# Altium PCB Urukul.PcbDoc (part 1 of 12) (continued)
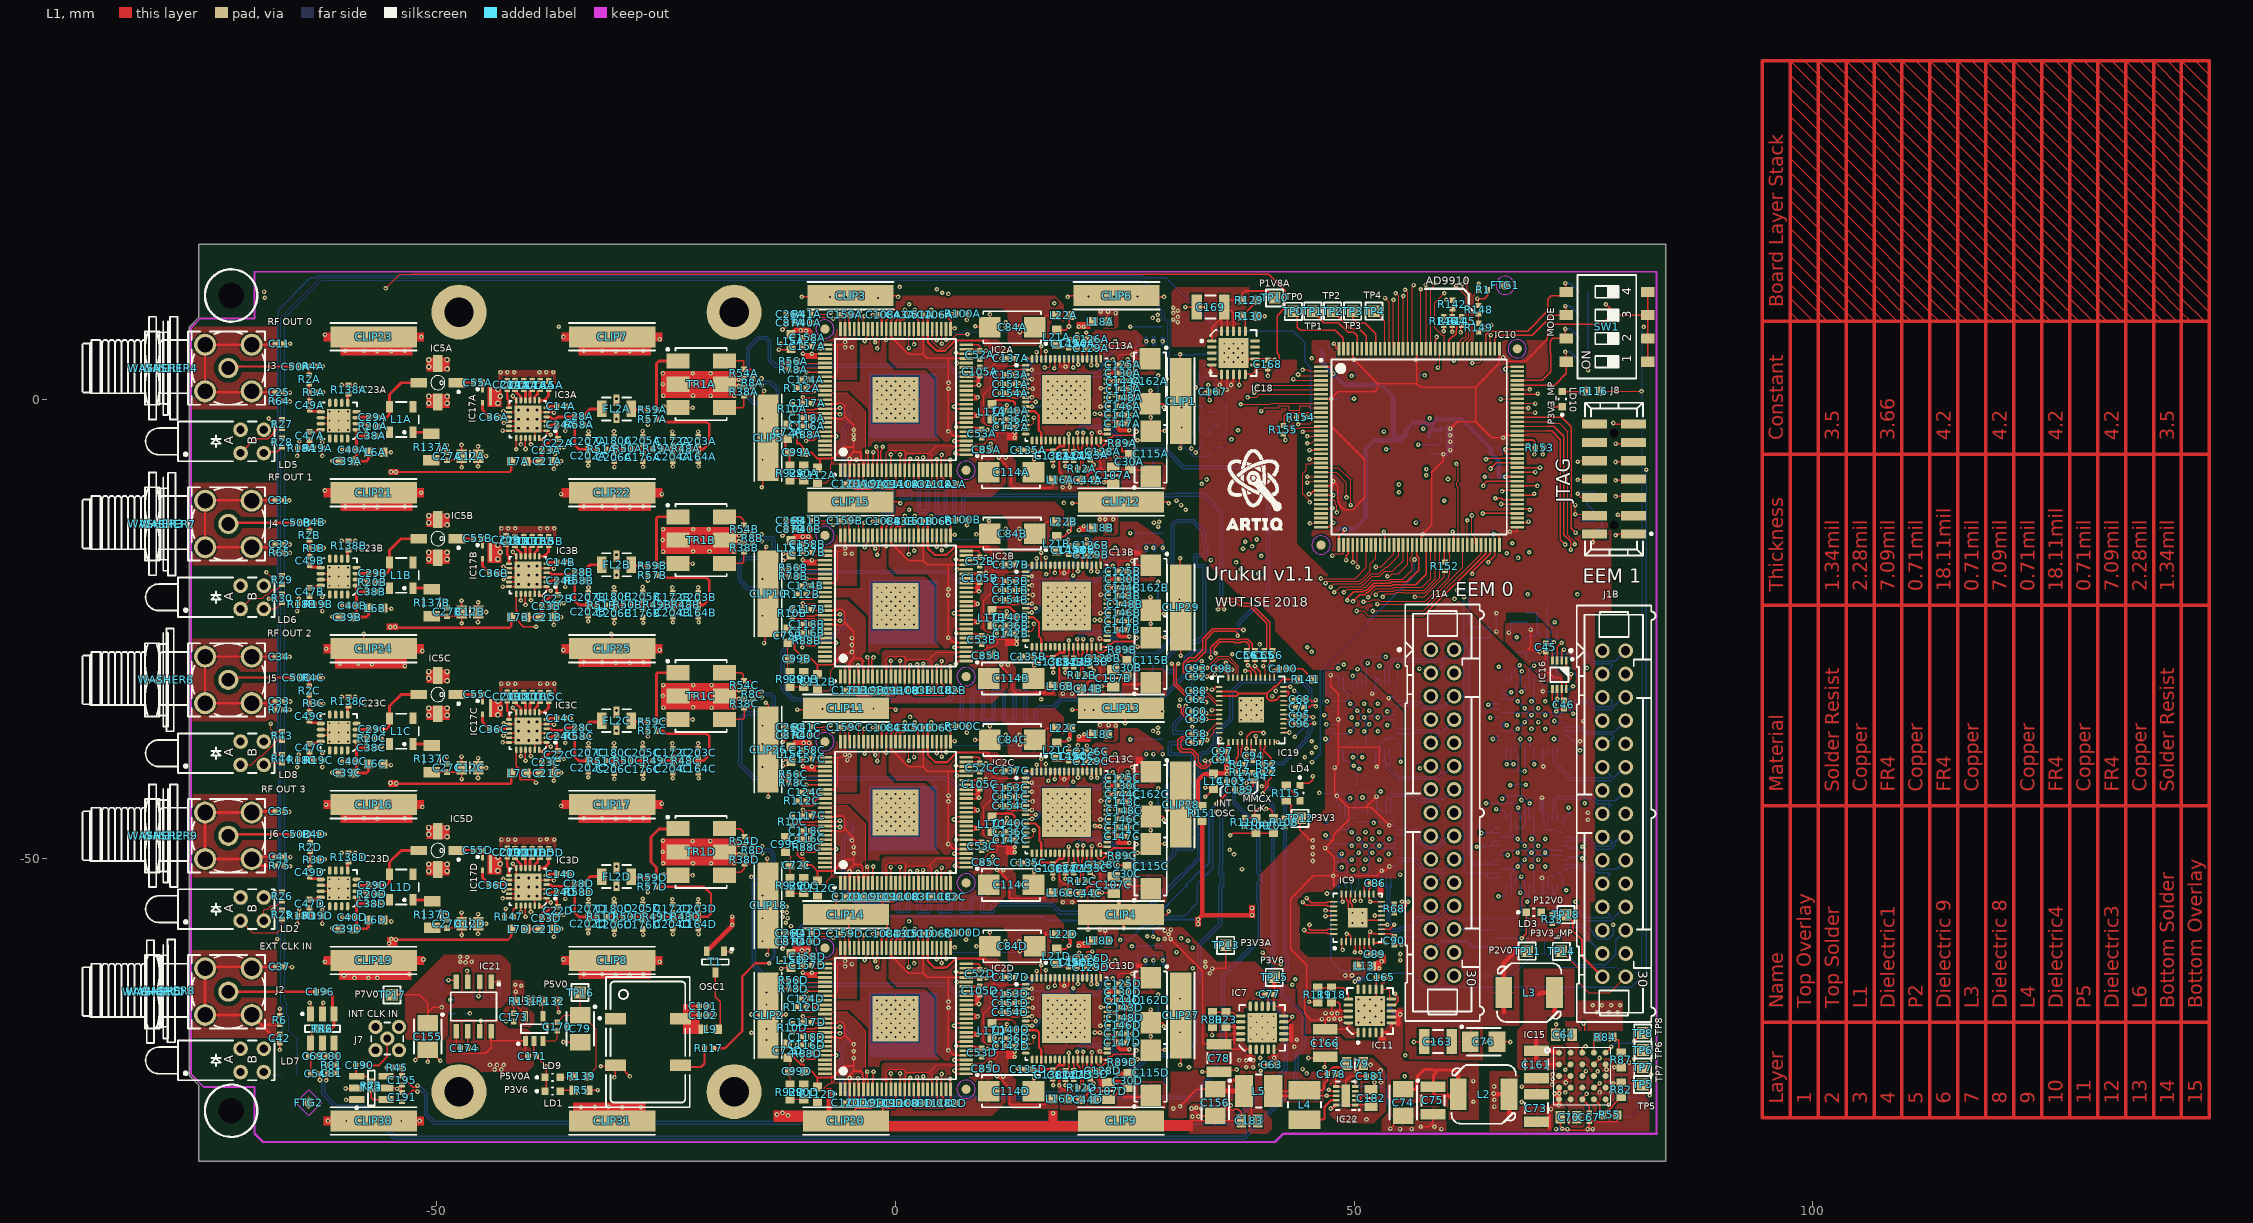
[diagram p0: L1 view]
## Classes and differential pairs (continued)
component class U_DDS_channel3: C26D C30D C43D C44D C51D C52D C53D C72D C82D C83D C84D C85D C87D C99D C105D C106D C107D C108D C109D C110D C111D C112D C114D C115D C116D C117D C118D C119D C120D C124D C125D C126D C127D C128D C129D C130D C133D C134D C135D C136D C137D C138D C140D C141D C142D C143D C144D C146D C147D C148D C149D C150D C151D C153D C154D C157D C158D C159D C162D IC2D IC13D L15D L16D L17D L18D L19D L20D L21D L22D R10D R12D R15D R40D R41D R56D R78D R79D R88D R89D R90D R91D R92D R93D R94D R96D R97D R98D R99D R100D R104D R105D R106D R107D R112D R113D R140D
component class U_LVDS_IFCA: C2A C3A C4A C5A C6A C7A C8A C9A C10A IC1A IC6A IC8A J1A R7A R9A R11A R13A R16A R21A R24A R35A
component class U_Supply_DDS: C48 C63 C64 C67 C70 C73 C74 C75 C76 C77 C78 C79 C155 C156 C160 C161 C163 C165 C166 C167 C168 C169 C170 C171 C173 C174 C175 C177 C178 C179 C181 C182 C183 IC7 IC11 IC12 IC15 IC18 IC20 IC21 IC22 L2 L3 L4 L5 LD1 LD3 LD4 LD7 LD9 LD10 R5 R23 R33 R53 R55 R80 R82 R84 R87 R115 R116 R118 R119 R120 R121 R122 R123 R124 R125 R126 R127 R128 R129 R130 R131 R132 R133 R134 R135 R136 R139 R143 R? TP5 TP6 TP7 TP8 TP10 TP11 TP12 TP13 TP14 TP15 TP16 TP17 TP18
channel class DDS_channel: U_DDS_channel0 U_DDS_channel1 U_DDS_channel2 U_DDS_channel3
channel class DDS_OUT_channel: U_DDS_OUT_channel0 U_DDS_OUT_channel1 U_DDS_OUT_channel2 U_DDS_OUT_channel3
net class DDS_CSN[3..0]: DDS_CSN0 DDS_CSN1 DDS_CSN2 DDS_CSN3
net class DDS_SCKI[3..0]: DDS_SCKI0 DDS_SCKI1 DDS_SCKI2 DDS_SCKI3
net class DDS_SDI[3..0]: DDS_SDI0 DDS_SDI1 DDS_SDI2 DDS_SDI3
net class DDS_SDO[3..0]: DDS_SDO0 DDS_SDO1 DDS_SDO2 DDS_SDO3
net class DDS_UPDATE[3..0]: DDS_UPDATE0 DDS_UPDATE1 DDS_UPDATE2 DDS_UPDATE3
net class LED[7..0]: LED0 LED1 LED2 LED3 LED4 LED5 LED6 LED7
net class R\E\_DE[15..0]: R\E\_DE0 R\E\_DE1 R\E\_DE2 R\E\_DE3 R\E\_DE4 R\E\_DE5 R\E\_DE6 R\E\_DE7 R\E\_DE8 R\E\_DE9 R\E\_DE10 R\E\_DE11 R\E\_DE12 R\E\_DE13 R\E\_DE14 R\E\_DE15
net class DDS_PLL_LOCK[3..0]: DDS_PLL_LOCK0 DDS_PLL_LOCK1 DDS_PLL_LOCK2 DDS_PLL_LOCK3
net class SYNC_SMP_ERR[3..0]: SYNC_SMP_ERR0 SYNC_SMP_ERR1 SYNC_SMP_ERR2 SYNC_SMP_ERR3
net class DDS_CLK: DDS_CLKA0_N DDS_CLKA0_P DDS_CLKA1_N DDS_CLKA1_P DDS_CLKA2_N DDS_CLKA2_P DDS_CLKA3_N DDS_CLKA3_P DDS_CLKB0_N DDS_CLKB0_P DDS_CLKB1_N DDS_CLKB1_P DDS_CLKB2_N DDS_CLKB2_P DDS_CLKB3_N DDS_CLKB3_P
component class U_LVDS_IFCB: C2B C3B C4B C5B C6B C7B C8B C9B C10B IC1B IC6B IC8B J1B R7B R9B R11B R13B R16B R21B R24B R35B
net class DDR_RESET[3..0]: DDR_RESET0 DDR_RESET1 DDR_RESET2 DDR_RESET3
differential pair DAC_OUTD: +DAC_OUTD_P -DAC_OUTD_N
differential pair DAC_OUTC: +DAC_OUTC_P -DAC_OUTC_N
differential pair DAC_OUTB: +DAC_OUTB_P -DAC_OUTB_N
differential pair DAC_OUTA: +DAC_OUTA_P -DAC_OUTA_N
differential pair DAC_OUTRD: +DAC_OUTRD_P -DAC_OUTRD_N
differential pair DAC_OUTRC: +DAC_OUTRC_P -DAC_OUTRC_N
differential pair DAC_OUTRB: +DAC_OUTRB_P -DAC_OUTRB_N
differential pair DAC_OUTRA: +DAC_OUTRA_P -DAC_OUTRA_N
differential pair DDS_CLKB3: +DDS_CLKB3_P -DDS_CLKB3_N
differential pair DDS_CLKB2: +DDS_CLKB2_P -DDS_CLKB2_N
differential pair DDS_CLKB1: +DDS_CLKB1_P -DDS_CLKB1_N
differential pair DDS_CLKB0: +DDS_CLKB0_P -DDS_CLKB0_N
differential pair DDS_CLKA3: +DDS_CLKA3_P -DDS_CLKA3_N
differential pair DDS_CLKA2: +DDS_CLKA2_P -DDS_CLKA2_N
differential pair DDS_CLKA1: +DDS_CLKA1_P -DDS_CLKA1_N
differential pair DDS_CLKA0: +DDS_CLKA0_P -DDS_CLKA0_N
differential pair DDS3_SYNC_IN: +DDS3_SYNC_IN_P -DDS3_SYNC_IN_N
differential pair DDS2_SYNC_IN: +DDS2_SYNC_IN_P -DDS2_SYNC_IN_N
differential pair DDS1_SYNC_IN: +DDS1_SYNC_IN_P -DDS1_SYNC_IN_N
differential pair DDS0_SYNC_OUT: +DDS0_SYNC_OUT_P -DDS0_SYNC_OUT_N
differential pair DDS0_SYNC_IN: +DDS0_SYNC_IN_P -DDS0_SYNC_IN_N
differential pair LVDS7B: +LVDS7A_P -LVDS7A_N
differential pair LVDS7A: +LVDS7B_P -LVDS7B_N
differential pair CKIN1: +CKIN1_P -CKIN1_N
differential pair CK_MMCX_IN: +CK_MMCX_IN_P -CK_MMCX_IN_N
differential pair LVDS7B: +LVDS6A_P -LVDS6A_N
differential pair LVDS7A: +LVDS6B_P -LVDS6B_N
differential pair LVDS6B: +LVDS5A_P -LVDS5A_N
differential pair LVDS6A: +LVDS5B_P -LVDS5B_N
differential pair LVDS5B: +LVDS4A_P -LVDS4A_N
differential pair LVDS5A: +LVDS4B_P -LVDS4B_N
differential pair LVDS4B: +LVDS3A_P -LVDS3A_N
differential pair LVDS4A: +LVDS3B_P -LVDS3B_N
differential pair LVDS3B: +LVDS2A_P -LVDS2A_N
differential pair LVDS3A: +LVDS2B_P -LVDS2B_N
differential pair LVDS2B: +LVDS1A_P -LVDS1A_N
differential pair LVDS2A: +LVDS1B_P -LVDS1B_N
differential pair CK_SMA_IN: +CK_SMA_IN_P -CK_SMA_IN_N
differential pair LVDS0A: +LVDS0B_P -LVDS0B_N
differential pair LVDS0B: +LVDS0A_P -LVDS0A_N
differential pair CKIN0: +CKIN0_P -CKIN0_N
differential pair FB_SYNC: +FB_SYNC_P -FB_SYNC_N

## Components (designator, comment, footprint, x,y, rotation, side; value= is the part's Value field where it differs from the comment)
C1 "100nF" CAPC1005X55N 70.425,-24.278 r180 bottom
C2A "100nF" CAPC1005X55N 70.1,-39.053 r0 bottom (schematic designator C2)
C2B "100nF" CAPC1005X55N 48.8,-53.253 r180 bottom (schematic designator C2)
C3A "100nF" CAPC1005X55N 51.825,-29.978 r0 bottom (schematic designator C3)
C3B "100nF" CAPC1005X55N 48.675,-44.003 r180 bottom (schematic designator C3)
C4A "100nF" CAPC1005X55N 70.05,-29.753 r0 bottom (schematic designator C4)
C4B "100nF" CAPC1005X55N 48.5,-30.028 r180 bottom (schematic designator C4)
C5A "100nF" CAPC1005X55N 73.975,-37.678 r90 bottom (schematic designator C5)
C5B "100nF" CAPC1005X55N 48.6,-39.278 r180 bottom (schematic designator C5)
C6A "100nF" CAPC1005X55N 66.7,-44.778 r180 bottom (schematic designator C6)
C6B "100nF" CAPC1005X55N 70.025,-44.778 r0 bottom (schematic designator C6)
C7A "100nF" CAPC1005X55N 51.875,-53.303 r0 bottom (schematic designator C7)
C7B "100nF" CAPC1005X55N 66.8,-54.028 r180 bottom (schematic designator C7)
C8A "100nF" CAPC1005X55N 51.9,-44.003 r0 bottom (schematic designator C8)
C8B "100nF" CAPC1005X55N 70.025,-54.078 r0 bottom (schematic designator C8)
C9A "100nF" CAPC1005X55N 66.825,-29.703 r180 bottom (schematic designator C9)
C9B "100nF" CAPC1005X55N 66.85,-39.053 r180 bottom (schematic designator C9)
C10A "100nF" CAPC1005X55N 69.275,-58.253 r90 bottom (schematic designator C10)
C10B "100nF" CAPC1005X55N 69.475,-60.178 r270 bottom (schematic designator C10)
C11 "10nF" CAPC1005X55N -67.161,6.101 r0 top
C12A "1uF" CAPC2012X140N -46.4,-6.153 r180 top (schematic designator C12)
C12B "1uF" CAPC2012X140N -46.4,-23.153 r180 top (schematic designator C12)
C12C "1uF" CAPC2012X140N -46.4,-40.153 r180 top (schematic designator C12)
C12D "1uF" CAPC2012X140N -46.4,-57.153 r180 top (schematic designator C12)
C13 "100nF" CAPC1005X55N 69.6,-27.053 r270 bottom
C14A "10nF" CAPC1005X55N -36.5,-0.728 r180 top (schematic designator C14)
C14B "10nF" CAPC1005X55N -36.5,-17.728 r180 top (schematic designator C14)
C14C "10nF" CAPC1005X55N -36.5,-34.728 r180 top (schematic designator C14)
C14D "10nF" CAPC1005X55N -36.5,-51.728 r180 top (schematic designator C14)
C15A "10nF" CAPC1005X55N -37.829,1.587 r270 top (schematic designator C15)
C15B "10nF" CAPC1005X55N -37.829,-15.413 r270 top (schematic designator C15)
C15C "10nF" CAPC1005X55N -37.829,-32.413 r270 top (schematic designator C15)
C15D "10nF" CAPC1005X55N -37.829,-49.413 r270 top (schematic designator C15)
C16A "10nF" CAPC1005X55N -38.729,1.587 r270 top (schematic designator C16)
C16B "10nF" CAPC1005X55N -38.729,-15.413 r270 top (schematic designator C16)
C16C "10nF" CAPC1005X55N -38.729,-32.413 r270 top (schematic designator C16)
C16D "10nF" CAPC1005X55N -38.729,-49.413 r270 top (schematic designator C16)
C17A "10nF" CAPC1005X55N -39.629,1.587 r270 top (schematic designator C17)
C17B "10nF" CAPC1005X55N -39.629,-15.413 r270 top (schematic designator C17)
C17C "10nF" CAPC1005X55N -39.629,-32.413 r270 top (schematic designator C17)
C17D "10nF" CAPC1005X55N -39.629,-49.413 r270 top (schematic designator C17)
C18A "10nF" CAPC1005X55N -40.554,1.587 r270 top (schematic designator C18)
C18B "10nF" CAPC1005X55N -40.554,-15.413 r270 top (schematic designator C18)
C18C "10nF" CAPC1005X55N -40.554,-32.413 r270 top (schematic designator C18)
C18D "10nF" CAPC1005X55N -40.554,-49.413 r270 top (schematic designator C18)
C19A "10nF" CAPC1005X55N -41.504,1.587 r270 top (schematic designator C19)
C19B "10nF" CAPC1005X55N -41.504,-15.413 r270 top (schematic designator C19)
C19C "10nF" CAPC1005X55N -41.504,-32.413 r270 top (schematic designator C19)
C19D "10nF" CAPC1005X55N -41.504,-49.413 r270 top (schematic designator C19)
C20A "10nF" CAPC1005X55N -42.35,1.622 r270 top (schematic designator C20)
C20B "10nF" CAPC1005X55N -42.471,-15.292 r270 top (schematic designator C20)
C20C "10nF" CAPC1005X55N -42.35,-32.378 r270 top (schematic designator C20)
C20D "10nF" CAPC1005X55N -42.35,-49.378 r270 top (schematic designator C20)
C21A "10uF" CAPC1608X80N -38,-6.728 r180 top (schematic designator C21)
C21B "10uF" CAPC1608X80N -38,-23.728 r180 top (schematic designator C21)
C21C "10uF" CAPC1608X80N -38,-40.728 r180 top (schematic designator C21)
C21D "10uF" CAPC1608X80N -38,-57.728 r180 top (schematic designator C21)
C22A "100nF" CAPC1005X55N -36.8,-4.728 r90 top (schematic designator C22)
C22B "100nF" CAPC1005X55N -36.8,-21.728 r90 top (schematic designator C22)
C22C "100nF" CAPC1005X55N -36.8,-38.728 r90 top (schematic designator C22)
C22D "100nF" CAPC1005X55N -36.8,-55.728 r90 top (schematic designator C22)
C23A "1nF" CAPC1005X55N -38.1,-5.528 r180 top (schematic designator C23)
C23B "1nF" CAPC1005X55N -38.1,-22.528 r180 top (schematic designator C23)
C23C "1nF" CAPC1005X55N -38.1,-39.528 r180 top (schematic designator C23)
C23D "1nF" CAPC1005X55N -38.1,-56.528 r180 top (schematic designator C23)
C24A "100pF" CAPC1005X55N -36.5,-2.728 r180 top (schematic designator C24)
C24B "100pF" CAPC1005X55N -36.5,-19.728 r180 top (schematic designator C24)
C24C "100pF" CAPC1005X55N -36.5,-36.728 r180 top (schematic designator C24)
C24D "100pF" CAPC1005X55N -36.5,-53.728 r180 top (schematic designator C24)
C25 "10nF" CAPC1005X55N -67.203,0.818 r180 top
C26A "100pF" CAPC1005X55N -11.48,9.297 r0 top (schematic designator C26)
C26B "100pF" CAPC1005X55N -11.48,-13.203 r0 top (schematic designator C26)
C26C "100pF" CAPC1005X55N -11.48,-35.703 r0 top (schematic designator C26)
C26D "100pF" CAPC1005X55N -11.48,-58.203 r0 top (schematic designator C26)
C27A "100nF" CAPC1005X55N -48.9,-6.153 r270 top (schematic designator C27)
C27B "100nF" CAPC1005X55N -48.9,-23.153 r270 top (schematic designator C27)
C27C "100nF" CAPC1005X55N -48.9,-40.153 r270 top (schematic designator C27)
C27D "100nF" CAPC1005X55N -48.9,-57.153 r270 top (schematic designator C27)
C28A "10nF" CAPC1005X55N -34.53,-1.794 r180 top (schematic designator C28)
C28B "10nF" CAPC1005X55N -34.53,-18.794 r180 top (schematic designator C28)
C28C "10nF" CAPC1005X55N -34.53,-35.794 r180 top (schematic designator C28)
C28D "10nF" CAPC1005X55N -34.53,-52.794 r180 top (schematic designator C28)
C29A "10nF" CAPC1005X55N -57,-1.928 r180 top (schematic designator C29)
C29B "10nF" CAPC1005X55N -57,-18.928 r180 top (schematic designator C29)
C29C "10nF" CAPC1005X55N -57,-35.928 r180 top (schematic designator C29)
C29D "10nF" CAPC1005X55N -57,-52.928 r180 top (schematic designator C29)
C30A "56pF" CAPC1608X87N 25.5,-6.75 r90 top (schematic designator C30)
C30B "56pF" CAPC1608X87N 25.25,-29.25 r90 top (schematic designator C30)
C30C "56pF" CAPC1608X87N 25.25,-51.689 r90 top (schematic designator C30)
C30D "56pF" CAPC1608X87N 25.349,-74.244 r90 top (schematic designator C30)
C31 "10nF" CAPC1005X55N -67.186,-10.967 r0 top
C32 "10nF" CAPC1005X55N -67.172,-15.775 r180 top
C33 "10nF" CAPC1005X55N -67.186,-32.888 r0 top
C34 "10nF" CAPC1005X55N -67.186,-28.011 r180 top
C35 "10nF" CAPC1005X55N -67.186,-44.902 r0 top
C36A "10nF" CAPC1005X55N -43.8,-1.928 r180 top (schematic designator C36)
C36B "10nF" CAPC1005X55N -43.8,-18.928 r180 top (schematic designator C36)
C36C "10nF" CAPC1005X55N -43.8,-35.928 r180 top (schematic designator C36)
C36D "10nF" CAPC1005X55N -43.844,-52.928 r180 top (schematic designator C36)
C37 "10nF" CAPC1005X55N -67.135,-61.844 r0 top
C38A "100pF" CAPC1005X55N -57.15,-3.953 r0 top (schematic designator C38)
C38B "100pF" CAPC1005X55N -57.15,-20.953 r0 top (schematic designator C38)
C38C "100pF" CAPC1005X55N -57.15,-37.953 r0 top (schematic designator C38)
C38D "100pF" CAPC1005X55N -57.15,-54.953 r0 top (schematic designator C38)
C39A "10uF" CAPC1608X80N -59.8,-6.703 r0 top (schematic designator C39)
C39B "10uF" CAPC1608X80N -59.8,-23.703 r0 top (schematic designator C39)
C39C "10uF" CAPC1608X80N -59.8,-40.703 r0 top (schematic designator C39)
C39D "10uF" CAPC1608X80N -59.8,-57.703 r0 top (schematic designator C39)
C40A "100nF" CAPC1005X55N -59.225,-5.453 r0 top (schematic designator C40)
C40B "100nF" CAPC1005X55N -59.225,-22.453 r0 top (schematic designator C40)
C40C "100nF" CAPC1005X55N -59.225,-39.453 r0 top (schematic designator C40)
C40D "100nF" CAPC1005X55N -59.225,-56.453 r0 top (schematic designator C40)
C41 "10nF" CAPC1005X55N -67.161,-49.829 r180 top
C42 "10nF" CAPC1005X55N -67.15,-69.653 r90 top
C43A "1uF" CAPC1005X55N 0.575,9.247 r180 top (schematic designator C43)
C43B "1uF" CAPC1005X55N 0.575,-13.253 r180 top (schematic designator C43)
C43C "1uF" CAPC1005X55N 0.575,-35.753 r180 top (schematic designator C43)
C43D "1uF" CAPC1005X55N 0.575,-58.253 r180 top (schematic designator C43)
C44A "Undefined" CAPC1608X90N 20.98,-8.763 r0 top (schematic designator C44)
C44B "Undefined" CAPC1608X90N 21,-31.5 r0 top (schematic designator C44)
C44C "Undefined" CAPC1608X90N 20.95,-53.828 r0 top (schematic designator C44)
C44D "Undefined" CAPC1608X90N 20.95,-76.328 r0 top (schematic designator C44)
C45 "1uF" CAPC1005X55N 70.89,-27 r270 top
C46 "100nF" CAPC1005X55N 72.89,-33.25 r90 top
C47A "10nF" CAPC1005X55N -63.9,-3.953 r270 top (schematic designator C47)
C47B "10nF" CAPC1005X55N -63.9,-20.953 r270 top (schematic designator C47)
C47C "10nF" CAPC1005X55N -63.9,-37.953 r270 top (schematic designator C47)
C47D "10nF" CAPC1005X55N -63.9,-54.953 r270 top (schematic designator C47)
C48 "100nF" CAPC1005X55N 33.617,4.557 r270 bottom
C49A "10nF" CAPC1005X55N -63.859,-0.63 r90 top (schematic designator C49)
C49B "10nF" CAPC1005X55N -63.859,-17.571 r90 top (schematic designator C49)
C49C "10nF" CAPC1005X55N -63.91,-34.539 r90 top (schematic designator C49)
C49D "10nF" CAPC1005X55N -63.859,-51.557 r90 top (schematic designator C49)
C50A "10nF" CAPC1005X55N -65.383,3.612 r180 top (schematic designator C50)
C50B "10nF" CAPC1005X55N -65.281,-13.406 r180 top (schematic designator C50)
C50C "10nF" CAPC1005X55N -65.307,-30.297 r180 top (schematic designator C50)
C50D "10nF" CAPC1005X55N -65.256,-47.391 r180 top (schematic designator C50)
C51A "100nF" CAPC1005X55N 2.525,9.247 r0 top (schematic designator C51)
C51B "100nF" CAPC1005X55N 2.525,-13.253 r0 top (schematic designator C51)
C51C "100nF" CAPC1005X55N 2.525,-35.753 r0 top (schematic designator C51)
C51D "100nF" CAPC1005X55N 2.525,-58.253 r0 top (schematic designator C51)
C52A "100nF" CAPC1005X55N 9.175,4.875 r270 top (schematic designator C52)
C52B "100nF" CAPC1005X55N 9.175,-17.625 r270 top (schematic designator C52)
C52C "100nF" CAPC1005X55N 9.175,-40.125 r270 top (schematic designator C52)
C52D "100nF" CAPC1005X55N 9.175,-62.625 r270 top (schematic designator C52)
C53A "100nF" CAPC1005X55N 9.4,-3.7 r270 top (schematic designator C53)
C53B "100nF" CAPC1005X55N 9.4,-26.2 r270 top (schematic designator C53)
C53C "100nF" CAPC1005X55N 9.4,-48.7 r270 top (schematic designator C53)
C53D "100nF" CAPC1005X55N 9.4,-71.2 r270 top (schematic designator C53)
C54 "100nF" CAPC1005X55N -63.3,-73.502 r0 top
C55A "10nF" CAPC1005X55N -45.55,1.872 r180 top (schematic designator C55)
C55B "10nF" CAPC1005X55N -45.55,-15.128 r180 top (schematic designator C55)
C55C "10nF" CAPC1005X55N -45.55,-32.128 r180 top (schematic designator C55)
C55D "10nF" CAPC1005X55N -45.55,-49.128 r180 top (schematic designator C55)
C56 "100nF" CAPC1005X55N 38.3,-27.853 r270 top
C57 "100nF" CAPC1005X55N 32.8,-37.353 r0 top
C58 "100nF" CAPC1005X55N 32.8,-36.453 r0 top
C59 "100nF" CAPC1005X55N 32.8,-34.853 r0 top
C60 "100nF" CAPC1005X55N 32.8,-33.953 r0 top
C61 "100nF" CAPC1005X55N 39.2,-27.853 r270 top
C62 "100nF" CAPC1005X55N 32.8,-32.653 r0 top
C63 "1uF" CAPC1005X55N 41.029,-72.542 r180 top
C64 "22uF" CAPC2012X135N 72.89,-69.25 r0 top
C65 "100nF" CAPC1005X55N 40.2,-27.853 r270 top
C66 "100nF" CAPC1005X55N 41.1,-27.853 r270 top
C67 "100nF" CAPC1005X55N 75.64,-78.25 r90 top
C68 "100nF" CAPC1005X55N 44.1,-32.653 r180 top
C69 "0.5pF" CAPC1005X50N -63.5,-71.577 r180 top
C70 "22uF" CAPC2012X135N 73.39,-78.25 r0 top
C71 "100nF" CAPC1005X55N 44.1,-33.553 r180 top
C72A "Undefined" CAPC1608X90N -11.75,-3.5 r270 top (schematic designator C72)
C72B "Undefined" CAPC1608X90N -11.75,-25.75 r270 top (schematic designator C72)
C72C "Undefined" CAPC1608X90N -10.75,-50.75 r180 top (schematic designator C72)
C72D "Undefined" CAPC1608X90N -11.75,-71 r270 top (schematic designator C72)
C73 "47uF" CAPC3225X270N 69.89,-77.25 r270 top
C74 "22uF" CAPMP3528X210N 55.35,-76.653 r270 top
C75 "47uF" CAPC3225X270N 58.6,-76.403 r90 top
C76 "22uF" CAPMP3528X210N 64.14,-70 r0 top
C77 "1uF" CAPC1005X55N 40.8,-64.853 r0 top
C78 "47uF" CAPC3225X270N 35.279,-71.792 r90 top
C79 "22uF" CAPMP3528X210N -34.37,-68.603 r270 top
C80 "0.5pF" CAPC1005X50N -61.5,-71.577 r180 top
C81 "100nF" CAPC1005X55N -61.475,-73.477 r180 top
C82A "10nF" CAPC1005X55N 6.15,-9.2 r180 top (schematic designator C82)
C82B "10nF" CAPC1005X55N 6.15,-31.7 r180 top (schematic designator C82)
C82C "10nF" CAPC1005X55N 6.15,-54.2 r180 top (schematic designator C82)
C82D "10nF" CAPC1005X55N 6.15,-76.7 r180 top (schematic designator C82)
C83A "100nF" CAPC1005X55N 2.55,-9.2 r180 top (schematic designator C83)
C83B "100nF" CAPC1005X55N 2.55,-31.7 r180 top (schematic designator C83)
C83C "100nF" CAPC1005X55N 2.55,-54.2 r180 top (schematic designator C83)
C83D "100nF" CAPC1005X55N 2.55,-76.7 r180 top (schematic designator C83)
C84A "10uF" CAPMP6032X280N 12.72,7.897 r180 top (schematic designator C84)
C84B "10uF" CAPMP6032X280N 12.72,-14.603 r180 top (schematic designator C84)
C84C "10uF" CAPMP6032X280N 12.72,-37.103 r180 top (schematic designator C84)
C84D "10uF" CAPMP6032X280N 12.72,-59.603 r180 top (schematic designator C84)
C85A "1uF" CAPC1005X55N 9.877,-5.436 r180 top (schematic designator C85)
C85B "1uF" CAPC1005X55N 9.877,-27.936 r180 top (schematic designator C85)
C85C "1uF" CAPC1005X55N 9.877,-50.436 r180 top (schematic designator C85)
C85D "1uF" CAPC1005X55N 9.877,-72.936 r180 top (schematic designator C85)
C86 "1uF" CAPC1005X55N 52.286,-52.745 r180 top
C87A "100pF" CAPC1005X55N -11.48,8.397 r0 top (schematic designator C87)
C87B "100pF" CAPC1005X55N -11.48,-14.103 r0 top (schematic designator C87)
C87C "100pF" CAPC1005X55N -11.48,-36.603 r0 top (schematic designator C87)
C87D "100pF" CAPC1005X55N -11.48,-59.103 r0 top (schematic designator C87)
C88 "100nF" CAPC1005X55N 32.8,-31.753 r0 top
C89 "100nF" CAPC1005X55N 52.275,-60.478 r0 top
C90 "100nF" CAPC1005X55N 54.39,-59 r90 top
C91 "1uF" CAPC1005X55N 35.709,-39.264 r0 top
C92 "100nF" CAPC1005X55N 32.8,-30.193 r0 top
C93 "100nF" CAPC1005X55N 32.8,-29.293 r0 top
C94 "100nF" CAPC1005X55N 39,-38.853 r90 top
C95 "100nF" CAPC1005X55N 44.1,-34.453 r180 top
C96 "100nF" CAPC1005X55N 44.1,-35.353 r180 top
C97 "100pF" CAPC1005X55N 35.7,-38.353 r0 top
C98 "100nF" CAPC1005X55N 35.6,-29.353 r0 top
C99A "56pF" CAPC1608X87N -10.75,-5.75 r180 top (schematic designator C99)
C99B "56pF" CAPC1608X87N -10.75,-28.25 r180 top (schematic designator C99)
C99C "56pF" CAPC1608X87N -12,-48.5 r270 top (schematic designator C99)
C99D "56pF" CAPC1608X87N -10.75,-73.25 r180 top (schematic designator C99)
C100 "100nF" CAPC1005X55N 42.3,-29.353 r180 top
C101 "1uF" CAPC1005X55N -20.95,-66.153 r180 top
C102 "100nF" CAPC1005X55N -20.95,-67.153 r180 top
C103 "100nF" CAPC1005X55N 36.598,-41.6 r180 top
C104 "1uF" CAPC1005X55N 57.426,-13.558 r270 bottom
C105A "100nF" CAPC1005X55N 9.175,3.05 r90 top (schematic designator C105)
C105B "100nF" CAPC1005X55N 9.175,-19.45 r90 top (schematic designator C105)
C105C "100nF" CAPC1005X55N 9.175,-41.95 r90 top (schematic designator C105)
C105D "100nF" CAPC1005X55N 9.175,-64.45 r90 top (schematic designator C105)
C106A "100nF" CAPC1005X55N 4.35,9.247 r180 top (schematic designator C106)
C106B "100nF" CAPC1005X55N 4.35,-13.253 r180 top (schematic designator C106)
C106C "100nF" CAPC1005X55N 4.35,-35.753 r180 top (schematic designator C106)
C106D "100nF" CAPC1005X55N 4.35,-58.253 r180 top (schematic designator C106)
C107A "820pF" CAPC2012X135N 23.75,-8.25 r270 top (schematic designator C107)
C107B "820pF" CAPC2012X135N 23.75,-30.373 r270 top (schematic designator C107)
C107C "820pF" CAPC2012X135N 23.8,-52.908 r270 top (schematic designator C107)
C107D "820pF" CAPC2012X135N 23.216,-75.387 r270 top (schematic designator C107)
C108A "100nF" CAPC1005X55N -1.275,9.247 r180 top (schematic designator C108)
C108B "100nF" CAPC1005X55N -1.275,-13.253 r180 top (schematic designator C108)
C108C "100nF" CAPC1005X55N -1.275,-35.753 r180 top (schematic designator C108)
C108D "100nF" CAPC1005X55N -1.275,-58.253 r180 top (schematic designator C108)
C109A "100nF" CAPC1005X55N -1.05,-9.225 r0 top (schematic designator C109)
C109B "100nF" CAPC1005X55N -1.05,-31.725 r0 top (schematic designator C109)
C109C "100nF" CAPC1005X55N -1.05,-54.225 r0 top (schematic designator C109)
C109D "100nF" CAPC1005X55N -1.05,-76.725 r0 top (schematic designator C109)
C110A "100nF" CAPC1005X55N 0.75,-9.225 r0 top (schematic designator C110)
C110B "100nF" CAPC1005X55N 0.75,-31.725 r0 top (schematic designator C110)
C110C "100nF" CAPC1005X55N 0.75,-54.225 r0 top (schematic designator C110)
C110D "100nF" CAPC1005X55N 0.75,-76.725 r0 top (schematic designator C110)
C111A "10nF" CAPC1005X55N 4.35,-9.2 r180 top (schematic designator C111)
C111B "10nF" CAPC1005X55N 4.35,-31.7 r180 top (schematic designator C111)
C111C "10nF" CAPC1005X55N 4.35,-54.2 r180 top (schematic designator C111)
C111D "10nF" CAPC1005X55N 4.35,-76.7 r180 top (schematic designator C111)
C112A "12pF" CAPC1608X87N -8.5,-8.25 r270 top (schematic designator C112)
C112B "12pF" CAPC1608X87N -8.5,-30.75 r270 top (schematic designator C112)
C112C "12pF" CAPC1608X87N -8.5,-53.25 r270 top (schematic designator C112)
C112D "12pF" CAPC1608X87N -8.5,-75.75 r270 top (schematic designator C112)
C114A "10uF" CAPMP6032X280N 12.595,-7.899 r0 top (schematic designator C114)
C114B "10uF" CAPMP6032X280N 12.595,-30.399 r0 top (schematic designator C114)
C114C "10uF" CAPMP6032X280N 12.595,-52.899 r0 top (schematic designator C114)
C114D "10uF" CAPMP6032X280N 12.595,-75.399 r0 top (schematic designator C114)
C115A "10uF" CAPMP6032X280N 27.82,-5.903 r90 top (schematic designator C115)
C115B "10uF" CAPMP6032X280N 27.82,-28.403 r90 top (schematic designator C115)
C115C "10uF" CAPMP6032X280N 27.82,-50.903 r90 top (schematic designator C115)
C115D "10uF" CAPMP6032X280N 27.82,-73.403 r90 top (schematic designator C115)
C116A "1uF" CAPC1005X55N -9.68,-2.903 r0 top (schematic designator C116)
C116B "1uF" CAPC1005X55N -9.68,-25.403 r0 top (schematic designator C116)
C116C "1uF" CAPC1005X55N -9.68,-47.903 r0 top (schematic designator C116)
C116D "1uF" CAPC1005X55N -9.68,-70.403 r0 top (schematic designator C116)
C117A "100nF" CAPC1005X55N -9.65,-0.378 r0 top (schematic designator C117)
C117B "100nF" CAPC1005X55N -9.65,-22.878 r0 top (schematic designator C117)
C117C "100nF" CAPC1005X55N -9.65,-45.378 r0 top (schematic designator C117)
C117D "100nF" CAPC1005X55N -9.65,-67.878 r0 top (schematic designator C117)
C118A "100nF" CAPC1005X55N -9.68,-2.003 r0 top (schematic designator C118)
C118B "100nF" CAPC1005X55N -9.68,-24.503 r0 top (schematic designator C118)
C118C "100nF" CAPC1005X55N -9.68,-47.003 r0 top (schematic designator C118)
C118D "100nF" CAPC1005X55N -9.68,-69.503 r0 top (schematic designator C118)
C119A "100nF" CAPC1005X55N -3.125,-9.178 r180 top (schematic designator C119)
C119B "100nF" CAPC1005X55N -3.125,-31.678 r180 top (schematic designator C119)
C119C "100nF" CAPC1005X55N -3.125,-54.178 r180 top (schematic designator C119)
C119D "100nF" CAPC1005X55N -3.125,-76.678 r180 top (schematic designator C119)
C120A "10nF" CAPC1005X55N -4.975,-9.178 r180 top (schematic designator C120)
C120B "10nF" CAPC1005X55N -4.975,-31.678 r180 top (schematic designator C120)
C120C "10nF" CAPC1005X55N -4.975,-54.178 r180 top (schematic designator C120)
C120D "10nF" CAPC1005X55N -4.975,-76.678 r180 top (schematic designator C120)
C124A "1uF" CAPC1005X55N -9.78,2.197 r0 top (schematic designator C124)
C124B "1uF" CAPC1005X55N -9.78,-20.303 r0 top (schematic designator C124)
C124C "1uF" CAPC1005X55N -9.78,-42.803 r0 top (schematic designator C124)
C124D "1uF" CAPC1005X55N -9.78,-65.303 r0 top (schematic designator C124)
C125A "1uF" CAPC1005X55N 24.79,3.797 r180 top (schematic designator C125)
C125B "1uF" CAPC1005X55N 24.79,-18.703 r180 top (schematic designator C125)
C125C "1uF" CAPC1005X55N 24.79,-41.203 r180 top (schematic designator C125)
C125D "1uF" CAPC1005X55N 24.79,-63.703 r180 top (schematic designator C125)
C126A "10nF" CAPC1005X55N 21.29,6.6 r0 top (schematic designator C126)
C126B "10nF" CAPC1005X55N 21.29,-15.9 r0 top (schematic designator C126)
C126C "10nF" CAPC1005X55N 21.29,-38.4 r0 top (schematic designator C126)
C126D "10nF" CAPC1005X55N 21.29,-60.9 r0 top (schematic designator C126)
C127A "1uF" CAPC1005X55N 19.44,-6.153 r90 top (schematic designator C127)
C127B "1uF" CAPC1005X55N 19.44,-28.653 r90 top (schematic designator C127)
C127C "1uF" CAPC1005X55N 19.44,-51.153 r90 top (schematic designator C127)
C127D "1uF" CAPC1005X55N 19.44,-73.653 r90 top (schematic designator C127)
C128A "10nF" CAPC1005X55N 22.625,-5.703 r180 top (schematic designator C128)
C128B "10nF" CAPC1005X55N 22.625,-28.203 r180 top (schematic designator C128)
C128C "10nF" CAPC1005X55N 22.625,-50.703 r180 top (schematic designator C128)
C128D "10nF" CAPC1005X55N 22.625,-73.203 r180 top (schematic designator C128)
C129A "100nF" CAPC1005X55N 21.29,5.597 r0 top (schematic designator C129)
C129B "100nF" CAPC1005X55N 21.29,-16.903 r0 top (schematic designator C129)
C129C "100nF" CAPC1005X55N 21.29,-39.403 r0 top (schematic designator C129)
C129D "100nF" CAPC1005X55N 21.29,-61.903 r0 top (schematic designator C129)
C130A "100nF" CAPC1005X55N 24.79,2.897 r180 top (schematic designator C130)
C130B "100nF" CAPC1005X55N 24.79,-19.603 r180 top (schematic designator C130)
C130C "100nF" CAPC1005X55N 24.79,-42.103 r180 top (schematic designator C130)
C130D "100nF" CAPC1005X55N 24.79,-64.603 r180 top (schematic designator C130)
C133A "100nF" CAPC1005X55N 21.25,-6.078 r90 top (schematic designator C133)
C133B "100nF" CAPC1005X55N 21.25,-28.578 r90 top (schematic designator C133)
C133C "100nF" CAPC1005X55N 21.25,-51.078 r90 top (schematic designator C133)
C133D "100nF" CAPC1005X55N 21.25,-73.578 r90 top (schematic designator C133)
C134A "100nF" CAPC1005X55N 18.54,-6.153 r90 top (schematic designator C134)
C134B "100nF" CAPC1005X55N 18.54,-28.653 r90 top (schematic designator C134)
C134C "100nF" CAPC1005X55N 18.54,-51.153 r90 top (schematic designator C134)
C134D "100nF" CAPC1005X55N 18.54,-73.653 r90 top (schematic designator C134)
C135A "1uF" CAPC1005X55N 14.5,-5.512 r0 top (schematic designator C135)
C135B "1uF" CAPC1005X55N 14.5,-28.012 r0 top (schematic designator C135)
C135C "1uF" CAPC1005X55N 14.5,-50.512 r0 top (schematic designator C135)
C135D "1uF" CAPC1005X55N 14.5,-73.012 r0 top (schematic designator C135)
C136A "10nF" CAPC1005X55N 12.569,-2.134 r0 top (schematic designator C136)
C136B "10nF" CAPC1005X55N 12.569,-24.634 r0 top (schematic designator C136)
C136C "10nF" CAPC1005X55N 12.569,-47.134 r0 top (schematic designator C136)
C136D "10nF" CAPC1005X55N 12.569,-69.634 r0 top (schematic designator C136)
C137A "1uF" CAPC1005X55N 12.55,4.522 r0 top (schematic designator C137)
C137B "1uF" CAPC1005X55N 12.55,-17.978 r0 top (schematic designator C137)
C137C "1uF" CAPC1005X55N 12.55,-40.478 r0 top (schematic designator C137)
C137D "1uF" CAPC1005X55N 12.55,-62.978 r0 top (schematic designator C137)
C138A "100nF" CAPC1005X55N 17.15,-6.103 r90 top (schematic designator C138)
C138B "100nF" CAPC1005X55N 17.15,-28.603 r90 top (schematic designator C138)
C138C "100nF" CAPC1005X55N 17.15,-51.103 r90 top (schematic designator C138)
C138D "100nF" CAPC1005X55N 17.15,-73.603 r90 top (schematic designator C138)
C140A "100nF" CAPC1005X55N 12.59,-1.203 r0 top (schematic designator C140)
C140B "100nF" CAPC1005X55N 12.59,-23.703 r0 top (schematic designator C140)
C140C "100nF" CAPC1005X55N 12.59,-46.203 r0 top (schematic designator C140)
C140D "100nF" CAPC1005X55N 12.59,-68.703 r0 top (schematic designator C140)
C141A "100nF" CAPC1005X55N 24.75,-1.653 r180 top (schematic designator C141)
C141B "100nF" CAPC1005X55N 24.75,-24.153 r180 top (schematic designator C141)
C141C "100nF" CAPC1005X55N 24.75,-46.653 r180 top (schematic designator C141)
C141D "100nF" CAPC1005X55N 24.75,-69.153 r180 top (schematic designator C141)
C142A "100nF" CAPC1005X55N 12.544,-2.997 r0 top (schematic designator C142)
C142B "100nF" CAPC1005X55N 12.544,-25.497 r0 top (schematic designator C142)
C142C "100nF" CAPC1005X55N 12.544,-47.997 r0 top (schematic designator C142)
C142D "100nF" CAPC1005X55N 12.544,-70.497 r0 top (schematic designator C142)
C143A "1uF" CAPC1005X55N 24.863,1.123 r180 top (schematic designator C143)
C143B "1uF" CAPC1005X55N 24.787,-21.382 r180 top (schematic designator C143)
C143C "1uF" CAPC1005X55N 24.826,-43.872 r180 top (schematic designator C143)
C143D "1uF" CAPC1005X55N 25,-66.303 r180 top (schematic designator C143)
C144A "10nF" CAPC1005X55N 24.863,2.012 r180 top (schematic designator C144)
C144B "10nF" CAPC1005X55N 24.79,-20.503 r180 top (schematic designator C144)
C144C "10nF" CAPC1005X55N 24.79,-43.003 r180 top (schematic designator C144)
C144D "10nF" CAPC1005X55N 24.79,-65.503 r180 top (schematic designator C144)
C146A "1uF" CAPC1005X55N 24.787,-0.737 r180 top (schematic designator C146)
C146B "1uF" CAPC1005X55N 24.787,-23.237 r180 top (schematic designator C146)
C146C "1uF" CAPC1005X55N 24.787,-45.737 r180 top (schematic designator C146)
C146D "1uF" CAPC1005X55N 24.787,-68.237 r180 top (schematic designator C146)
C147A "10nF" CAPC1005X55N 24.725,-2.603 r180 top (schematic designator C147)
C147B "10nF" CAPC1005X55N 24.725,-25.103 r180 top (schematic designator C147)
C147C "10nF" CAPC1005X55N 24.725,-47.603 r180 top (schematic designator C147)
C147D "10nF" CAPC1005X55N 24.725,-70.103 r180 top (schematic designator C147)
C148A "100nF" CAPC1005X55N 24.94,0.209 r180 top (schematic designator C148)
C148B "100nF" CAPC1005X55N 25,-22.303 r180 top (schematic designator C148)
C148C "100nF" CAPC1005X55N 24.953,-44.812 r180 top (schematic designator C148)
C148D "100nF" CAPC1005X55N 25,-67.403 r180 top (schematic designator C148)
C149A "1uF" CAPC1005X55N 18.89,6.097 r270 top (schematic designator C149)
C149B "1uF" CAPC1005X55N 18.89,-16.403 r270 top (schematic designator C149)
C149C "1uF" CAPC1005X55N 18.89,-38.903 r270 top (schematic designator C149)
C149D "1uF" CAPC1005X55N 18.89,-61.403 r270 top (schematic designator C149)
C150A "10nF" CAPC1005X55N 19.791,6.13 r270 top (schematic designator C150)
C150B "10nF" CAPC1005X55N 19.791,-16.37 r270 top (schematic designator C150)
C150C "10nF" CAPC1005X55N 19.791,-38.87 r270 top (schematic designator C150)
C150D "10nF" CAPC1005X55N 19.791,-61.37 r270 top (schematic designator C150)
C151A "1uF" CAPC1005X55N 12.49,1.697 r0 top (schematic designator C151)
C151B "1uF" CAPC1005X55N 12.49,-20.803 r0 top (schematic designator C151)
C151C "1uF" CAPC1005X55N 12.49,-43.303 r0 top (schematic designator C151)
C151D "1uF" CAPC1005X55N 12.49,-65.803 r0 top (schematic designator C151)
C153A "100nF" CAPC1005X55N 12.49,2.697 r0 top (schematic designator C153)
C153B "100nF" CAPC1005X55N 12.49,-19.803 r0 top (schematic designator C153)
C153C "100nF" CAPC1005X55N 12.49,-42.303 r0 top (schematic designator C153)
C153D "100nF" CAPC1005X55N 12.49,-64.803 r0 top (schematic designator C153)
C154A "100nF" CAPC1005X55N 12.49,0.697 r0 top (schematic designator C154)
C154B "100nF" CAPC1005X55N 12.49,-21.803 r0 top (schematic designator C154)
C154C "100nF" CAPC1005X55N 12.49,-44.303 r0 top (schematic designator C154)
C154D "100nF" CAPC1005X55N 12.49,-66.803 r0 top (schematic designator C154)
C155 "22uF" CAPMP3528X210N -51,-69.453 r270 top
C156 "22uF" CAPMP3528X210N 34.85,-76.653 r270 top
C157A "100nF" CAPC1005X55N -9.65,5.85 r0 top (schematic designator C157)
C157B "100nF" CAPC1005X55N -9.65,-16.65 r0 top (schematic designator C157)
C157C "100nF" CAPC1005X55N -9.65,-39.15 r0 top (schematic designator C157)
C157D "100nF" CAPC1005X55N -9.65,-61.65 r0 top (schematic designator C157)
C158A "100nF" CAPC1005X55N -9.65,6.75 r0 top (schematic designator C158)